# Altium PCB PCB.PcbDoc
Units mil, origin at the board's own origin, x right, y up, seen from the top; angles counter-clockwise.
Board outline 5149.5 x 3268.5 mil, 2 copper layers (Top Layer, Bottom Layer); 105 components, 69 nets, 375 pads, 61 vias.
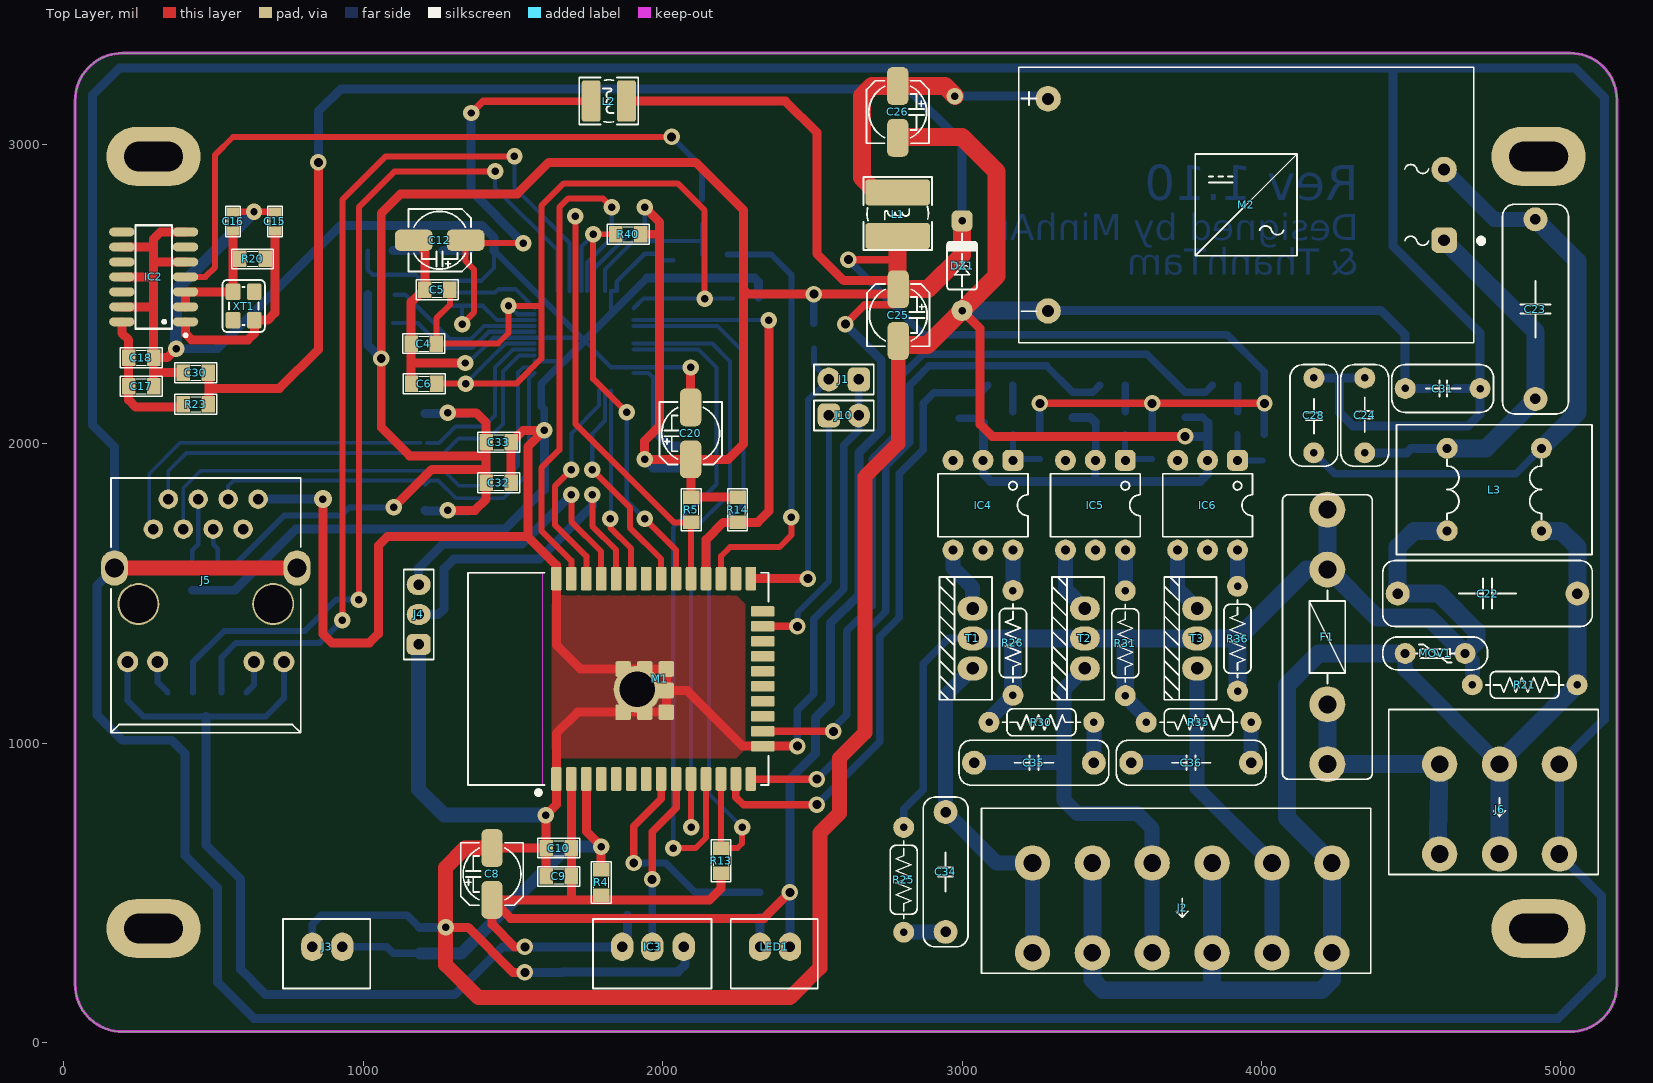
[diagram p0: Top Layer view]
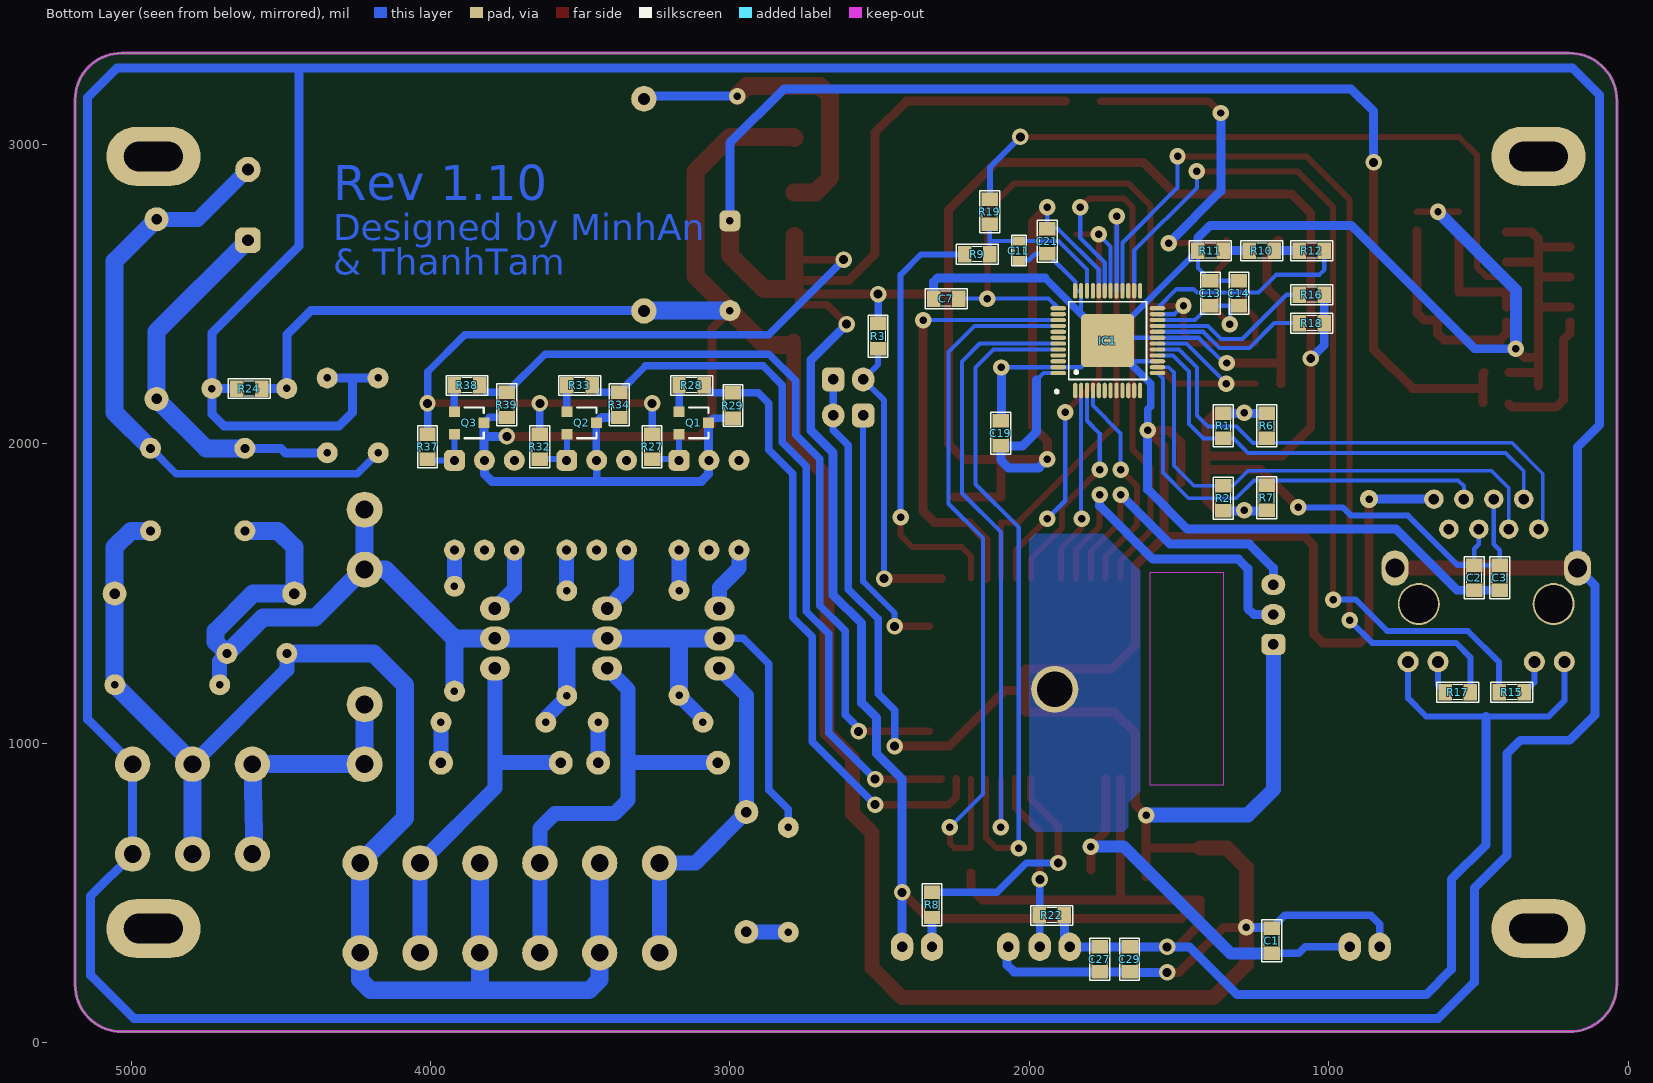
[diagram p1: Bottom Layer view, seen from below]
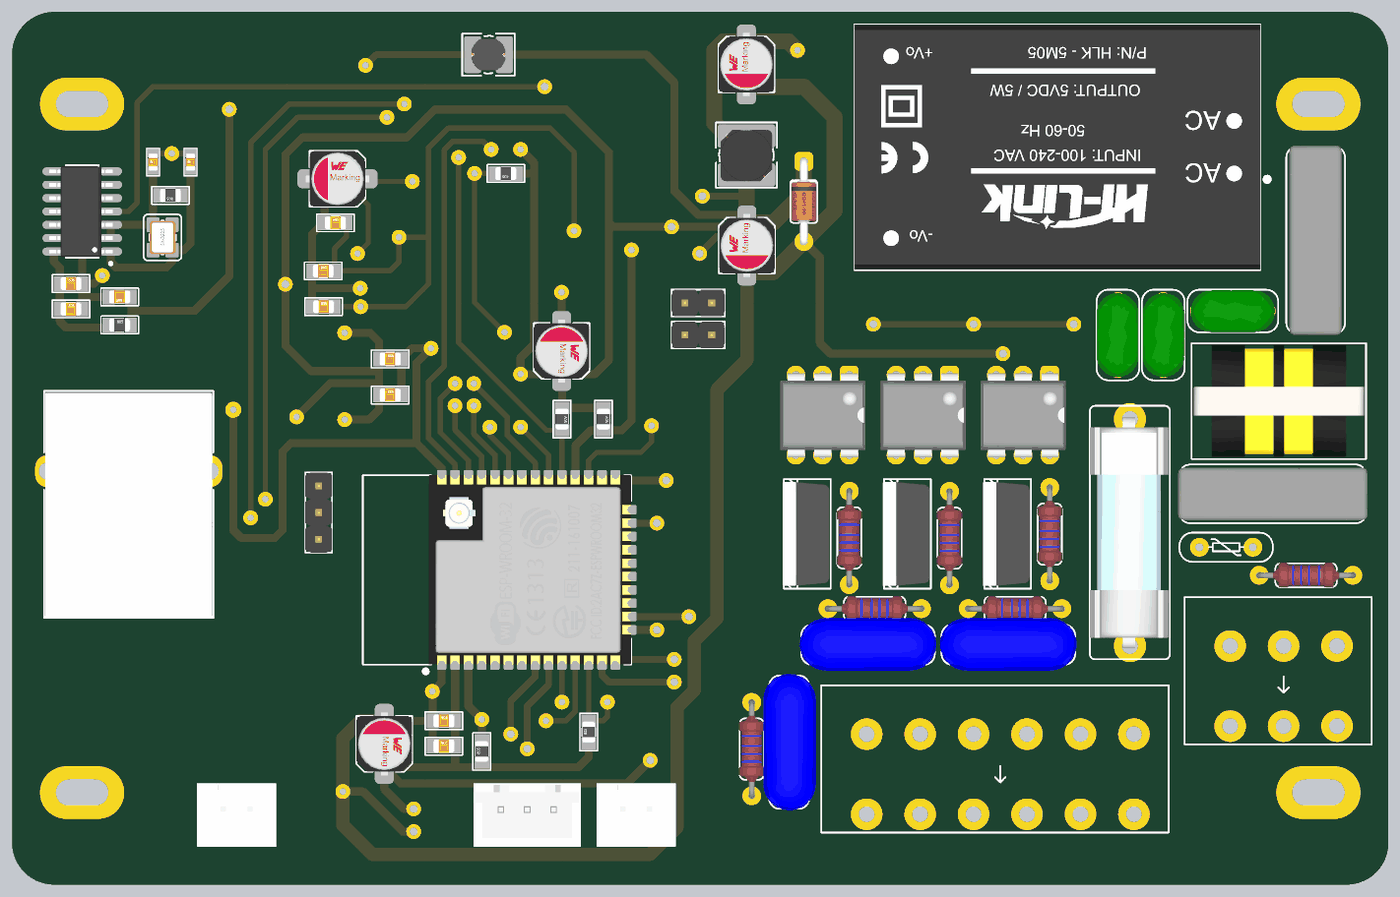
[diagram p2: 3D render of the assembled board from above, using the file's embedded part models]
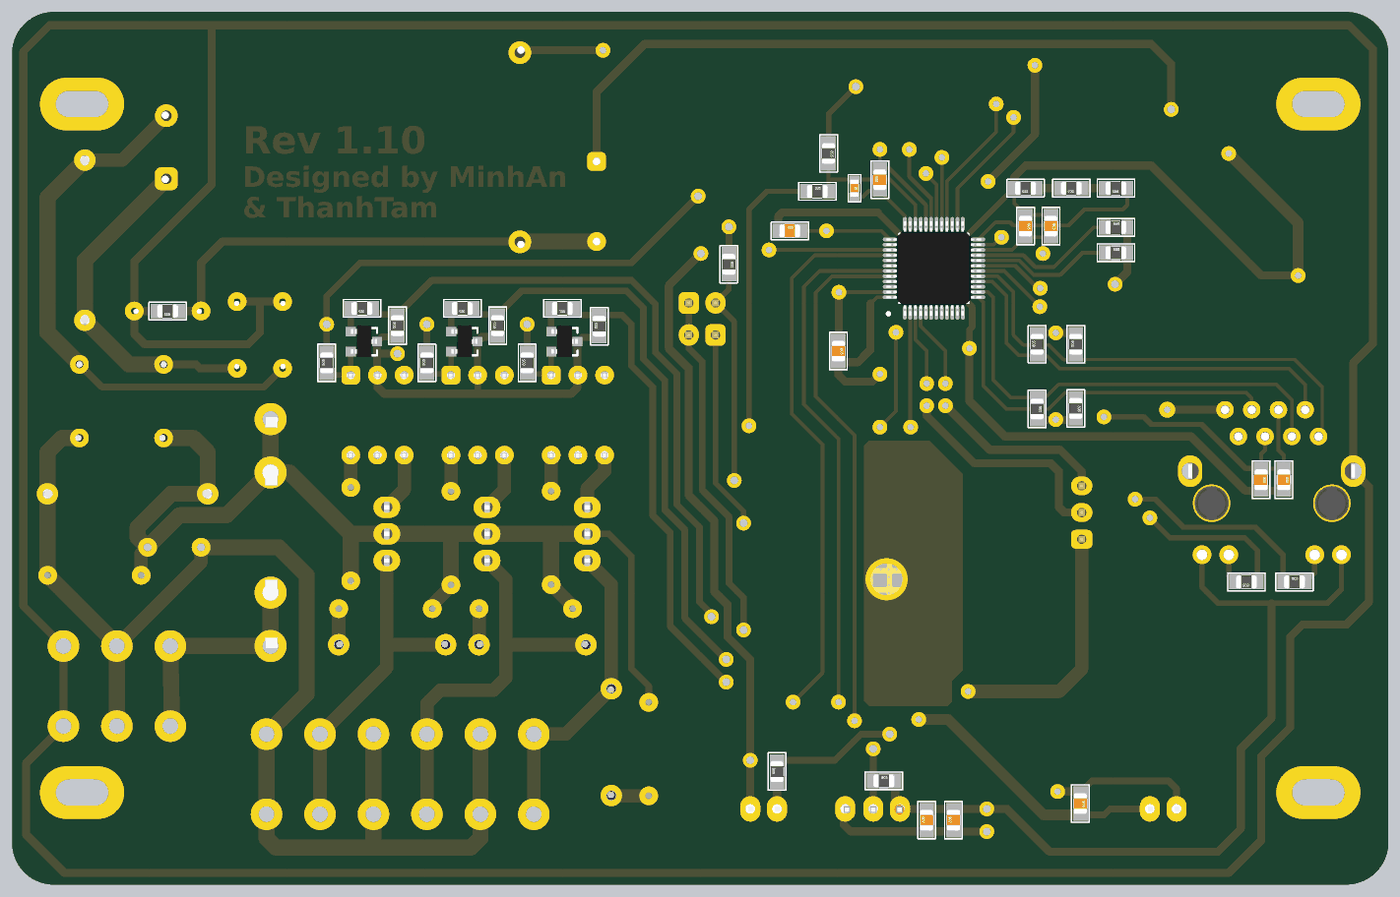
[diagram p3: 3D render of the assembled board from below, using the file's embedded part models]

## Layer stack, top to bottom
Top Solder: solder mask 0.4, Solder Resist, Dk 3.5
Top Layer: signal copper 1.4
Dielectric 1: dielectric 12.6, FR-4, Dk 4.8
Bottom Layer: signal copper 1.4
Bottom Solder: solder mask 0.4, Solder Resist, Dk 3.5

## Board outline
195.34,36.5 cw(c195.34,194.34) 37.5,194.34 37.5,3146.57 cw(c195.93,3146.57) 195.93,3305 5031.5,3305 cw(c5031.5,3149.5) 5187,3149.5 5187,192.65 cw(c5030.85,192.65) 5030.85,36.5

## Design rules (kind name [scope] priority, off if disabled: settings)
Clearance [All] p1: gap=17 ignorepadtopadclearanceinfootprint=FALSE except(0: Arc-Hole Track-Hole SMDPad-Hole THPad-Hole Via-Hole Fill-Hole Poly-Hole Region-Hole Text-Hole; 5: Arc-Arc Arc-Track Arc-SMDPad Track-Track Track-SMDPad SMDPad-SMDPad; 10: Arc-THPad Arc-Via Arc-Text Track-THPad Track-Via Track-Text SMDPad-THPad SMDPad-Via SMDPad-Text THPad-THPad THPad-Via THPad-Text Via-Via Via-Text Fill-Text Poly-Text Region-Text Text-Text)
DiffPairsRouting [All] p1: maxlimit=30 minlimit=10 mostfreqgap=10 toplayer_minwidth=12 toplayer_maxwidth=25 toplayer_prefwidth=15 bottomlayer_minwidth=12 bottomlayer_maxwidth=25 bottomlayer_prefwidth=15 maxuncoupledlength=400
HoleSize [All] p1: absolutevalues=TRUE maxlimit=1500 minlimit=1 maxpercent=80.000 minpercent=20.000
MinimumSolderMaskSliver [All] p1: minsoldermaskwidth=5
PolygonConnect [All] p1: connectstyle=Direct reliefconductorwidth=10 reliefentries=4 polygonreliefangle="90 Angle" airgapwidth=10
RoutingVias [All] p1: holewidth=30 width=55 viastyle="Through Hole" minholewidth=25 minwidth=50 maxholewidth=35 maxwidth=60
SilkToSilkClearance [All] p1 off: silktosilkclearance=10
SilkToSolderMaskClearance [IsPad] p1 off: minsilkscreentomaskgap=10 clearancetoexposedcopper=FALSE
SolderMaskExpansion [All] p1: expansion=0
Width [All] p1: maxlimit=60 minlimit=14 preferedwidth=25
25 further rules are at their usual default settings.

## Classes and differential pairs
differential pair class TD: TD
differential pair class RD: RD
differential pair TD: +TD_P -TD_N
differential pair RD: +RD_P -RD_N

## Components (designator, comment, footprint, x,y, rotation, side; value= is the part's Value field where it differs from the comment)
C1 "104" CAP0805 1190,340 r270 bottom
C2 "104" CAP0805 513.74,1553 r270 bottom
C3 "104" CAP0805 428.74,1553 r270 bottom
C4 "106" CAP0805 1202,2335 r0 top
C5 "104" CAP0805 1246.89,2515 r0 top
C6 "104" CAP0805 1203,2201 r0 top
C7 "104" CAP0805 2277,2485 r180 bottom
C8 "47uF" CAP-ELECT-SMD-5X5.4 1430,563.39 r90 top
C9 "104" CAP0805 1653,555 r0 top
C10 "103" CAP0805 1653,650 r0 top
C11 "5pF" CAP0603 2035,2645 r270 bottom
C12 "47uF" CAP-ELECT-SMD-5X5.4 1255,2680 r180 top
C13 "104" CAP0805 1395,2503 r270 bottom
C14 "103" CAP0805 1300,2503 r270 bottom
C15 "5pF" CAP0603 705,2742.6 r90 top
C16 "5pF" CAP0603 565,2742.6 r90 top
C17 "104" CAP0805 258,2192.6 r0 top
C18 "103" CAP0805 258,2287.6 r0 top
C19 "103" CAP0805 2095.28,2035 r270 bottom
C20 "47uF" CAP-ELECT-SMD-5X5.4 2093.39,2035 r90 top
C21 "104" CAP0805 1940,2676.99 r90 bottom
C22 "104/275VAC" CAP60 4755,1500 r180 top
C23 "104/275VAC" CAP60 4915,2450 r270 top
C24 "222/2kV" CAP25 4344.85,2095 r270 top
C25 "47uF" CAP-ELECT-SMD-5X5.4 2786.77,2430 r270 top
C26 "47uF" CAP-ELECT-SMD-5X5.4 2785,3108.38 r270 top
C27 "104" CAP0805 1765,278 r90 bottom
C28 "222/2kV" CAP25 4175,2095 r90 top
C29 "106" CAP0805 1665,278 r90 bottom
C30 "106" CAP0805 440,2237.6 r180 top
C31 "222/2kV" CAP25 4605,2184.85 r180 top
C32 "104" CAP0805 1452,1870 r0 top
C33 "103" CAP0805 1452,2005 r0 top
C34 "104" CAP40 2945,770 r270 top
C35 "104" CAP40 3040,935 r0 top
C36 "104" CAP40 3565,935 r0 top
DZ1 "1N4729" DIO_DZ1W 3000,2595 r90 top
F1 "F1A" FUSE-SOCKET 4220,1355 r90 top
IC1 "DP83848CVV" TQFP48_T 1738.31,2344.53 r90 bottom
IC2 "74HC14D" SO14 300,2557.6 r180 top
IC3 "DS18B20" HDR3 2070,320 r180 top
IC4 "MOC3020" DIP6 3070,1795 r180 top
IC5 "MOC3020" DIP6 3445,1795 r180 top
IC6 "MOC3020" DIP6 3820,1795 r180 top
J1 "Jumper2" J2_SM 2605,2215 r180 top
J2 "Header6" KF142-5.08-6-V 4035,456.1 r180 top
J3 "Header2" HDR2 930,320 r180 top
J4 "Header3" J3_SM 1185,1430 r90 top
J5 "HR911105A" HR911105A 473.93,1465 r180 top
J6 "Header3" KF142-5.08-3-V 4795,786.1 r180 top
J10 "Jumper2" J2_SM 2605,2095 r0 top
L1 "680uH" 4D28 2785,2769.13 r90 top
L2 "100uH" CD32 1820,3145 r0 top
L3 "EMI_CHOKE" IND_UU9.8 4777.53,1847.2 r180 top
LED1 "LED" HDR2 2425,320 r180 top value=1N5007
M1 "ESP32S" ESP32S 1940,1215.23 r90 top
M2 "HLK-5M3" HLK-5M 3948.58,2798.11 r180 top
MOV1 "7D471K" MOV_7D 4580,1300 r0 top
Q1 "S8550" SOT23-123 3120.79,2070 r270 bottom
Q2 "S8550" SOT23-123 3495,2070 r270 bottom
Q3 "S8550" SOT23-123 3870.79,2070 r270 bottom
R1 "49.9" RES0805 1351.89,2060.11 r270 bottom
R2 "49.9" RES0805 1351.89,1818.11 r90 bottom
R3 "4K7" RES0805 2505,2360 r90 bottom
R4 "4K7" RES0805 1794.72,535 r270 top
R5 "4K7" RES0805 2095,1780 r90 top
R6 "49.9" RES0805 1206.89,2060.11 r270 bottom
R7 "49.9" RES0805 1206.89,1820.11 r90 bottom
R8 "390" RES0805 2325,460 r270 bottom
R9 "150" RES0805 2173.89,2633.11 r0 bottom
R10 "150" RES0805 1223.89,2645 r180 bottom
R11 "20" RES0805 1395,2645 r180 bottom
R12 "4K7" RES0805 1056.89,2645 r180 bottom
R13 "2K2" RES0805 2195,608 r270 top
R14 "2K2" RES0805 2250,1780 r90 top
R15 "390" RES0805 388.74,1170 r0 bottom
R16 "2K2" RES0805 1056.89,2498.11 r0 bottom
R17 "390" RES0805 568.74,1170 r180 bottom
R18 "2K2" RES0805 1056.89,2403.11 r0 bottom
R19 "150" RES0805 2131.89,2775.11 r90 bottom
R20 "1M" RES0805 630,2617.6 r0 top
R21 "470K" RES35 4880,1195 r180 top
R22 "4K7" RES0805 1925,425 r0 bottom
R23 "1M" RES0805 440,2132.6 r180 top
R24 "1M" RES0805 4605,2184.7 r180 bottom
R25 "33" RES35 2805,545 r270 top
R26 "150" RES35 3170,1336 r270 top
R27 "330" RES0805 3260,1990.6 r270 bottom
R28 "2K2" RES0805 3128,2195 r180 bottom
R29 "4K7" RES0805 2990,2128 r270 bottom
R30 "33" RES35 3264,1070 r0 top
R31 "150" RES35 3545,1335 r270 top
R32 "330" RES0805 3635,1990.6 r270 bottom
R33 "2K2" RES0805 3502.21,2195 r180 bottom
R34 "4K7" RES0805 3370,2130 r270 bottom
R35 "33" RES35 3789,1070 r0 top
R36 "150" RES35 3920,1350 r270 top
R37 "330" RES0805 4010,1990.6 r270 bottom
R38 "2K2" RES0805 3878,2195 r180 bottom
R39 "4K7" RES0805 3745,2130 r270 bottom
R40 "1K5" RES0805 1885,2700 r0 top
T1 "Triac" TO-220 3035,1350 r90 top
T2 "Triac" TO-220 3410,1350 r90 top
T3 "Triac" TO-220 3785,1350 r90 top
XT1 "50 MHz" XTAL_3225 600.43,2460.35 r90 top

## Footprints (in the part's own frame and the unit in brackets; to place one, negate y for a bottom-side part, rotate by r counter-clockwise, add the part's x,y. Pads: shape width x height; smd on the part's side, far side on the other; paste and mask are expansions set on the pad)
4D28 [mm]
  rrect25% 2.2x5.5 smd: 1(-1.9,0) 2(1.8,0)
  silkscreen extent -3.1,-2.9 3.1,2.9, body extent -2.5,-2.45 2.4,2.45, height 2.91
CAP25 [mil]
  round 70 hole 25: 1(-125,0.15) 2(125,0)
  silkscreen extent -170,-80 170,80, body extent -157,-77 157,80, height 539
CAP40 [mil]
  round 80 hole 35: 1(0,0) 2(400,0)
  silkscreen extent -50,-75 450,75, body extent -56,-97 456,100, height 571
CAP60 [mil]
  round 80 hole 35: 1(-300,0) 2(300,0)
  silkscreen extent -350,-110 350,110, body extent -354,-98 484,110, height 418
CAP0603 [mil]
  rect 30x40 smd: 1(-31.99,0) 2(32,0)
  silkscreen extent -51,-24 51,24, body extent -31,-16 31,16, height 12
CAP0805 [mil]
  rect 45x55 smd: 1(-42,0) 2(42,0)
  silkscreen extent -70,-33 70,33, body extent -39,-25 39,25, height 31
CAP-ELECT-SMD-5X5.4 [mm]
  rrect50% 3.2x1.8 smd: 1(-2.2,0) 2(2.2,0)
  silkscreen extent -2.65,-2.65 2.65,2.65, body extent -3,-2.65 3,2.65, height 5.45
CD32 [mm]
  rrect25% 1.6x3.5 smd: 1(-1.5,0) 2(1.5,0)
  silkscreen extent -2.5,-2 2.5,2, body extent -1.65,-1.5 1.65,1.5, height 2.1
DIO_DZ1W [mil] "1W zener"
  round 70 hole 25: 1(-150,0)
  rrect50% 70x70 hole 25: 2(150,0)
  silkscreen extent -108,-50 108,50, body extent -165,-47 165,47, height 119
DIP6 [mil]
  rrect50% 70x70 hole 30: 1(-100,-150)
  round 70 hole 30: 2(0,-150) 3(100,-150) 4(100,150) 5(0,150) 6(-100,150)
  silkscreen extent -150,-105 150,105, body extent -160,-157 158,158, height 170
ESP32S [mm]
  rrect25% 2x0.9 smd: 1(-8.5,7.5) 2(-8.5,6.23) 3(-8.5,4.96) 4(-8.5,3.69) 5(-8.5,2.42) 6(-8.5,1.15) 7(-8.5,-0.12) 8(-8.5,-1.39) 9(-8.5,-2.66) 10(-8.5,-3.93) 11(-8.5,-5.2) 12(-8.5,-6.47) 13(-8.5,-7.74) 14(-8.5,-9.01) 25(8.5,-9.01) 26(8.5,-7.74) 27(8.5,-6.47) 28(8.5,-5.2) 29(8.5,-3.93) 30(8.5,-2.66) 31(8.5,-1.39) 32(8.5,-0.12) 33(8.5,1.15) 34(8.5,2.42) 35(8.5,3.69) 36(8.5,4.96) 37(8.5,6.23) 38(8.5,7.5)
  rrect25% 0.9x2 smd: 15(-5.715,-10.01) 16(-4.445,-10.01) 17(-3.175,-10.01) 18(-1.905,-10.01) 19(-0.635,-10.01) 20(0.635,-10.01) 21(1.905,-10.01) 22(3.175,-10.01) 23(4.445,-10.01) 24(5.715,-10.01)
  rrect25% 1.33x1.33 smd: 39(-2.835,-1.835) 39(-2.835,0) 39(-2.835,1.835) 39(-1,1.835) 39(-1,0) 39(-1,-1.835) 39(0.835,1.835) 39(0.835,0) 39(0.835,-1.835)
  Keep-Out Layer region: 9,8.69 -9,8.69 -9,14.99 9,14.99
  silkscreen extent -9.83,-10.51 9,14.99, body extent -9,-10.51 9,8.74, height 3.37
FUSE-SOCKET [mil]
  round 120 hole 60: 1(-425,0) 1(-225,0) 2(225,0) 2(425,0)
  silkscreen extent -475,-150 475,150, body extent -433,-143 433,150, height 423
HDR2 [mil]
  oval 75x95 hole 35: 1(0,0) 2(100,0)
  silkscreen extent -93,-93 198,139, body extent -93,-91 198,138, height 279
HDR3 [mil]
  oval 75x95 hole 35: 1(0,0) 2(105,0) 3(205,0)
  silkscreen extent -93,-93 303,139, body extent -90,-90 300,136, height 276
HLK-5M [mil]
  rrect50% 85x85 hole 40: 1(-661.42,118.11)
  round 85 hole 40: 2(-661.42,-118.11) 3(661.42,354.33) 4(661.42,-354.33)
  silkscreen extent -793,-460 760,460, body extent -760,-459 760,459, height 722
HR911105A [mil]
  oval 90.55x118.11 hole 64.17: 0(-304.92,-120.08) 0(304.92,-120.08)
  round 65 hole 35: 1(175.2,-250) 2(125.2,-350) 3(75.2,-250) 4(25.2,-350) 5(-24.8,-250) 6(-74.8,-350) 7(-124.8,-250) 8(-174.8,-350)
  round 70 hole 40: 9(260.83,192.91) 10(160.83,192.91) 11(-160.83,192.91) 12(-260.83,192.91)
  round 140 hole 127.95 unplated: 13(-225,0) 13(225,0)
  silkscreen extent -317,-420 317,430, body extent -313,-412 313,430, height 533
IND_UU9.8 [mil]
  round 70 hole 30: 1(-157.47,137.8) 2(-157.47,-137.8) 3(157.49,-137.8) 4(157.49,137.8)
  silkscreen extent -326,-217 326,217, body extent -318,-209 318,209, height 604
J2_SM [mil]
  rrect50% 75x80 hole 35: 1(-50,0)
  oval 75x80 hole 35: 2(50,0)
  silkscreen extent -100,-50 100,50, body extent -100,-50 100,50, height 341
J3_SM [mil]
  rrect50% 70x80 hole 35: 1(-100,0)
  oval 70x80 hole 35: 2(0,0) 3(100,0)
  silkscreen extent -150,-50 150,50, body extent -150,-50 150,50, height 341
KF142-5.08-3-V [mm]
  round 3 hole 1.5: 1(-5.08,3.965) 1(-5.08,-3.655) 2(0,3.965) 2(0,-3.655) 3(5.08,3.965) 3(5.08,-3.655)
  silkscreen extent -8.38,-8.3 9.4,5.7
KF142-5.08-6-V [mm]
  round 3 hole 1.5: 1(-5.08,3.965) 1(-5.08,-3.655) 2(0,3.965) 2(0,-3.655) 3(5.08,3.965) 3(5.08,-3.655) 4(10.16,-3.655) 4(10.16,3.965) 5(15.24,-3.655) 5(15.24,3.965) 6(20.32,-3.655) 6(20.32,3.965)
  silkscreen extent -8.38,-8.3 24.64,5.7
MOV_7D [mil]
  round 70 hole 30: 1(-100,0) 2(100,0)
  silkscreen extent -175,-55 175,55
RES35 [mil]
  round 70 hole 25: 1(-174,0) 2(176,0)
  silkscreen extent -129,-45 131,45, body extent -186,-47 186,47, height 114
RES0805 [mil]
  rect 45x55 smd: 1(-42,0) 2(42,0)
  silkscreen extent -70,-33 70,33, body extent -39,-25 39,25, height 31
SO14 [mil]
  oval 85x30 smd: 1(-106.3,150) 2(-106.3,100) 3(-106.3,50) 4(-106.3,0) 5(-106.3,-50) 6(-106.3,-100) 7(-106.3,-150) 8(106.3,-150) 9(106.3,-100) 10(106.3,-50) 11(106.3,0) 12(106.3,50) 13(106.3,100) 14(106.3,150)
  silkscreen extent -111,-173 61,200, body extent -113,-169 123,169, height 69
SOT23-123 [mm] "SOT23, 1=bottom-left, 2=top, 3=bottom-right"
  rect 0.9x0.95 smd: 1(-0.95,-1.25) 2(0,1.25)
  rect 0.9x0.95 smd mask+0: 3(0.95,-1.25)
  silkscreen extent -1.3,-0.38 1.3,1.25, body extent -1.52,-1.23 1.48,1.27, height 1.06
TO-220 [mil]
  oval 80x100 hole 42: 1(-100,0) 2(0,0) 3(100,0)
  silkscreen extent -205,-65 205,110, body extent -195,-61 195,114, height 787
TQFP48_T [mil]
  oval 52x14 smd: 1(-166.42,108.27) 2(-166.42,88.58) 3(-166.42,68.9) 4(-166.42,49.21) 5(-166.42,29.53) 6(-166.42,9.84) 7(-166.42,-9.84) 8(-166.42,-29.53) 9(-166.42,-49.21) 10(-166.42,-68.9) 11(-166.42,-88.58) 12(-166.42,-108.27) 25(166.42,-108.27) 26(166.42,-88.58) 27(166.42,-68.9) 28(166.42,-49.21) 29(166.42,-29.53) 30(166.42,-9.84) 31(166.42,9.84) 32(166.42,29.53) 33(166.42,49.21) 34(166.42,68.9) 35(166.42,88.58) 36(166.42,108.27)
  oval 14x52 smd: 13(-108.27,-166.42) 14(-88.58,-166.42) 15(-68.9,-166.42) 16(-49.21,-166.42) 17(-29.53,-166.42) 18(-9.84,-166.42) 19(9.84,-166.42) 20(29.53,-166.42) 21(49.21,-166.42) 22(68.9,-166.42) 23(88.58,-166.42) 24(108.27,-166.42) 37(108.27,165) 38(88.58,165) 39(68.9,165) 40(49.21,165) 41(29.53,165) 42(9.84,165) 43(-9.84,165) 44(-29.53,165) 45(-49.21,165) 46(-68.9,165) 47(-88.58,165) 48(-108.27,165)
  rrect15% 177.17x177.17 smd: 49(0,0)
  silkscreen extent -175,-130 130,175, body extent -177,-177 177,177, height 57
XTAL_3225 [mm]
  rrect25% 1.4x1.25 smd: 0(-1.2,0.9) 0(1.2,-0.9) 1(-1.2,-0.9) 2(1.2,0.9)
  silkscreen extent -2.2,-1.8 2.2,1.8, body extent -1.6,-1.25 1.6,1.25, height 0.81

## Part data
C1 C2 C3 C4 C5 C6 C7 C9 C10 C11 C13 C14 C15 C16 C17 C18 C19 C21 C22 C23 C24 C27 C28 C29 C30 C31 C32 C33 C34 C35 C36: library part CAP
C8 C12 C20 C25 C26: library part CAP-POL
DZ1: library part Zener
F1: library part Fuse
IC1: "PHYTER® Commercial Temperature Single Port 10/100 Mb/s Ethernet Physical Layer Transceiver, 48-pin LQFP, Pb-Free, 250 Tray", Manufacturer="Texas Instruments", PackageTopMarking=NSUZXYTT*DP83848VV*VBC, PartNumber=DP83848CVV/NOPB, PowerWise=N, ComponentLink1Description="Datasheet URL", ComponentLink1URL=http://www.ti.com/general/docs/lit/getliterature.tsp?genericPartNumber=DP83848C&fileType=pdf, CompType="Interface IC", High-Reliability=Y, PackageDescription="LQFP, 7 x 7 x 1.4mm, 48 Lead, 0.5mm Pitch", PackageReference=PT0048A, PinCount=48, RoHS=Y
IC2: library part SN74HC14N, "Hex Schmitt-Trigger Inverter", ComponentLink1Description="Manufacturer Link", ComponentLink1URL=http://www.ti.com/, ComponentLink2Description=Datasheet, ComponentLink2URL=http://www-s.ti.com/sc/ds/sn74hc14.pdf, DatasheetVersion=May-1997, LatestRevisionDate=04-Mar-2005, LatestRevisionNote="Stylized 3D Model Added.", PackageDescription="DIP; 14 Leads; Row Spacing 7.62 mm; Pitch 2.54 mm", PackageReference=N014, PackageVersion=Oct-1995, Published=8-Jun-2000, Publisher="Altium Limited"
IC3: library part DS18S20, "High Precision  1-Wire® Digital Thermometer"
J1 J10: Manufacturer="Würth Elektronik eiSos GmbH", partNo=613002143121, ComponentLink1 Description=Manufacturer, ComponentLink1URL=http://www.we-online.com, ComponentLink2 Description=Datasheet, ComponentLink2URL=http://katalog.we-online.de/em/datasheet/6130xx143121.pdf, Created by="Karrer Zheng", Created Date="29 March 2013", NoPins=02
J3: "SYS_RST", Manufacturer="Würth Elektronik eiSos GmbH", partNo=613002143121, ComponentLink1 Description=Manufacturer, ComponentLink1URL=http://www.we-online.com, ComponentLink2 Description=Datasheet, ComponentLink2URL=http://katalog.we-online.de/em/datasheet/6130xx143121.pdf, Created by="Karrer Zheng", Created Date="29 March 2013", NoPins=02
J4: "PROG"
J6: "Power"
L1 L2: library part Inductor
M2: library part HLK-5M
MOV1: library part MOV
Q1 Q2 Q3: library part BJT_PNP
R1 R2 R3 R4 R5 R6 R7 R8 R9 R10 R11 R12 R13 R14 R15 R16 R17 R18 R19 R20 R21 R22 R23 R24 R25 R26 R27 R28 R29 R30 R31 R32 R33 R34 R35 R36 R37 R38 R39 R40: library part RES
XT1: library part XTAL
LED1: Code - JEDEC=DO-214-AB, Published=8-Jun-2000, Publisher="Altium Limited", Revision="July-2002: Re-released for DXP Platform."

## Free pads (board coordinates)
  oval 314.96x196.85 hole 98.43 slot 196.85 at 0 deg: 0(299.37,381.14) 0(299.37,2959.88) 0(4925.35,381.14) 0(4925.35,2959.88)
  round 157.48 hole 118.11: 39(1915,1180)

## Via types
v1: diameter 55, hole 25, Top Layer to Bottom Layer, 39 vias
v2: diameter 55, hole 30, Top Layer to Bottom Layer, 21 vias
v3: diameter 60, hole 25, Top Layer to Bottom Layer, 1 vias

## Nets (pads, with @x,y where several pads share a name; then routed paths per layer and width w, separated by ;. In a path a pad name is that pad's centre, name@x,y a point inside that pad or via, vN(x,y) a via of type N, cw(c..) or ccw(c..) an arc to the next point about the centre after c; other vN are vias at no path point)
+3.3: C2.1 C3.1 C8.1 C9.2 C10.2 C19.2 C20.1 C21.2 C25.1 C27.2 C29.2 C30.1 C32.1 C33.1 DZ1.2 IC1.32 IC1.48 IC3.3 J5.4 J5.5 J5.9 J5.12 L1.1 L2.2 LED1.1 M1.2 R1.1 R2.1 R3.2 R4.2 R5.2 R6.1 R7.1 R13.2 R14.2 R16.1 R18.1 R22.1 R23.1 R27.1 R32.1 R37.1 R40.2 | length 25812
  Top Layer w25: v2(2610,2400) 2675,2465 2770.15,2465 2770.15,2500 C25.1 ; v2(2620,2615) 2785,2615 ; v2(3260,2135) v2(3635,2135) v2(4010,2135)
  Top Layer w30: C30.1 C30.1@484,2235.6 ; R23.1@484,2137.6 484,2185 ; C30.1@484.83,2234.76 C30.1@484,2235.6 ; v2(850,2940) 850,2315 720,2185 484,2185 ; v1(1101.89,1788.11) 1228.79,1915 1410,1915 C32.1 1410,1815 1373.11,1778.11 v1(1281.89,1778.11) ; v1(1281.89,2103.11) 1376.89,2103.11 1410,2070 C33.1 1410,1960 ; 1410,1920 1410,1960 ; v2(1540,320) 1505,320 1430,395 C8.1 ; M1.2 1695,880.31 1695,739.29 1694.72,739.01 1694.72,555.28 C9.2 1695,476.77 ; L2.2 2410,3145 2515,3040 2515,2635 2605,2545 2758.39,2545 C25.1@2785,2518.39 ; R40.2 1990,2700 ; v1(1940,2790) 1990,2740 1990,2700 ; R13.2 2195,515 2156.77,476.77 1695,476.77 ; R14.2 R5.2 2095,1946.77 C20.1 ; v2(2425,502) 2338,415 1491.77,415 C8.1 ; C25.1@2770.15,2500 v2(2505,2500) 2285,2500 2270,2515 ; 484,2185 C30.1@484,2235.6 ; 1410,1960 1155,1960 1060,2055 v2(1060,2285) 1060,2770 1125,2835 1515,2835 1620,2940 2110,2940 2270,2780 2270,2515 ; C8.1 1695,476.77 ; 1990,2700 1990,2060 1940,2010 v1(1940,1948.38) C20.1 ; C20.1 2218.38,1948.38 2270,2000 2270,2515
  Top Layer w60: C25.1@2785,2518.39 2785,2615 L1.1 ; C25.1 2886.62,2516.62 3000,2630 DZ1.2
  Bottom Layer w14: IC1.32 1767.84,2581.31 1905.52,2718.99 C21.2 v1(1940,2790) ; IC1.48 1952.11,2236.26 1975.31,2213.05
  Bottom Layer w15: J5.4 448.74,1665 428.74,1645 C3.1 C2.1 513.74,1650 498.74,1665 J5.5
  Bottom Layer w20: J5.9 213.11,1141.89 265,1090 475,1090 675,1090 734.76,1149.76 J5.12 ; C2.1 570,1595 735,1760 925,1760 953.11,1788.11 v1(1101.89,1788.11)
  Bottom Layer w25: R3.2 v2(2505,2500) ; v2(2620,2615) 2870,2365 3885,2365 4010,2240 v2(4010,2135) R37.1 ; R27.1 v2(3260,2135) ; R32.1 v2(3635,2135)
  Bottom Layer w30: 475,1090 475,660 590,545 590,245 675,160 1305,160 1465,320 v2(1540,320) C29.2 C27.2 IC3.3 1870,320 1883,333 R22.1 ; v2(850,2940) 850,3110 925,3185 2820,3185 3000,3005 DZ1.2 ; R16.1 R18.1 1014.89,2330.11 v2(1060,2285) ; R7.1 1208.89,1776.11 R2.1 ; R6.1 R1.1 ; v1(1940,1948.38) 1968.38,1920 2070,1920 2095.28,1945.28 C19.2 2021.9,1993 1975.31,2039.79 1975.31,2213.05 ; LED1.1 v2(2425,502) 2425,880 2510,965 2510,1085 2560,1135 2560,1400 2655,1495 2655,1970 2730,2045 2730,2280 v2(2610,2400)
_CRS_DV: IC1.40 M1.12 R13.1 | length 2444.7
  Top Layer w20: M1.12 2195,880.31 R13.1 2250,650 2265,665 v1(2265,720)
  Bottom Layer w14: IC1.40 2183.15,2393.74 2270,2306.89 2270,1800 2155,1685 2155,830 v1(2265,720)
_RX0: IC1.43 M1.10 | length 2116.1
  Top Layer w20: v1@2094.72,720.28 M1.10
  Top Layer w30: v1@2094.72,720.28 v1(2095,720)
  Bottom Layer w14: IC1.43 2165.63,2334.68 2225,2275.31 2225,1835 2095,1705 v1(2095,720)
_RX1: IC1.44 M1.11 | length 2286.8
  Top Layer w20: v1(2035,650) 2110,650 2145,685 2145,880.31 M1.11
  Bottom Layer w14: IC1.44 2120,2315 2180,2255 2180,1865 2035,1720 v1(2035,650)
_TX_0: IC1.3 M1.31 | length 740.9
  Top Layer w20: v1(1765,1913.11) 1890,1788.11 1890,1720 1994.72,1615.28 M1.31
  Bottom Layer w14: v1(1765,1913.11) 1765,2035 1807.21,2077.21 IC1.3
_TX_1: IC1.4 M1.36 | length 732.7
  Top Layer w20: v1(1695,1913.11) 1640,1858.11 1640,1729.72 1744.72,1625 M1.36
  Bottom Layer w14: v1(1695,1913.11) 1695,2035 1787.52,2127.52 IC1.4
_TX_EN: IC1.2 M1.33 | length 657.9
  Top Layer w20: v1(1825,1749.95) 1825,1720 1894.72,1650.28 M1.33
  Bottom Layer w14: v1(1825,1749.95) 1826.89,1751.84 IC1.2
CHAS: C24.1 C28.2 C31.1 J5.0 J6.1 R24.1 | length 18953.7
  Top Layer w50: J5.0@169.01,1585.08 J5.0@778.86,1585.08
  Bottom Layer w30: C28.2 4260,2220 ; C24.1 4260,2220 ; R24.1 C31.1 ; J6.1@4995,630 5135,490 5135,225 4990,80 635,80 513.74,201.26 513.74,516.26 405,625 405,965 360,1010 195,1010 110,1095 110,1526.07 169.01,1585.08 169.01,1990 95,2064.01 95,3165 185,3255 4440,3255 ; J6.1@4995,635 J6.1@4995,930 ; J6.1@4995,936 J6.1@4995,930 ; 4260,2220 4260,2105 4305,2060 4690,2060 4730,2100 C31.1 ; 4440,3255 4440,2660 4730,2370 C31.1 ; 4440,3255 5047.44,3255 5145,3157.44 5145,1080 J6.1@4995,930
CLK_50M: C11.1 IC1.34 R9.1 R19.1 | length 536.5
  Bottom Layer w14: IC1.34 1807.21,2582.21 1901.99,2676.99 C11.1 2128.89,2676.99 2131.89,2680 ; R9.1 2131.89,2680 ; R19.1 2131.89,2680
ESP_RST: C1.2 J3.1 M1.3 R4.1 | length 1346
  Top Layer w30: M1.3 1744.72,705.28 1794.72,655.28 v1(1794.72,655) R4.1
  Bottom Layer w25: J3.1 1078,320 1100,298 C1.2
  Bottom Layer w40: C1.2 1328,298 1685,655 v1(1794.72,655)
GND: C1.1 C2.2 C3.2 C4.1 C5.1 C6.1 C7.1 C8.2 C9.1 C10.1 C11.2 C12.2 C13.1 C14.1 C15.2 C16.2 C17.2 C18.2 C19.1 C20.2 C21.1 C25.2 C26.2 C27.1 C29.1 C30.2 C31.2 C32.2 C33.2 DZ1.1 IC1.15 IC1.19 IC1.35 IC1.36 IC1.47 IC1.49 IC2.5 IC2.7 IC2.9 IC2.11 IC2.13 IC3.1 IC4.2 IC5.2 IC6.2 J1.1 J3.2 J4.1 J5.8 J10.2 M1.1 M1.15 M1.38 M1.39 M2.3 pad.39 Q1.2 Q2.2 Q3.2 R11.1 R24.2 R29.2 R34.2 R39.2 | length 27158.5
  Top Layer w22: C16.2 v1(635,2774.6) C15.2
  Top Layer w30: IC2.13 300,2457.6 ; IC2.11 300,2557.6 ; IC2.9 290,2657.6 300,2667.6 ; C17.2 300,2237.6 ; v1(375,2317.6) 345,2287.6 C18.2 ; C30.2 300,2237.6 ; IC2.5 300,2607.6 ; IC2.7 323.26,2707.6 300,2684.33 300,2667.6 ; v3(865,1815) 865,1365 895,1335 1020,1335 1050,1365 1050,1660 1080,1690 1550,1690 ; C6.1 1160,2202 1160,2270 ; C12.2 1206.89,2641.5 1206.89,2520 1160,2473.11 C4.1 1160,2270 ; v1(1275,385) 1350,385 1500,235 v2(1540,235) ; v1(1340,2270) 1160,2270 ; C8.2 C10.1 ; C32.2 C33.2 1534,2045 v1(1605,2045) 1550,1990 1550,1690 ; C9.1 C10.1 ; pad.39@1867.76,1175.86 pad.39 1940,1175.86 M1.39@2012.24,1175.86 ; C20.2 v1(2093.39,2255) ; v2(2450,990.23) M1.15 2267.87,990.23 2082.24,1175.86 M1.39@2012.24,1175.86 ; DZ1.1 3060,2385 3060,2065 3100,2025 v2(3745,2025) ; 300,2237.6 C18.2 ; C18.2 300,2457.6 ; 300,2457.6 300,2557.6 ; 300,2557.6 300,2607.6 ; 300,2607.6 300,2667.6 ; 1550,1690 1644.72,1595.28 M1.38 1644.72,1328.38 1725,1248.11 1867.76,1248.11 1940,1248.11 2012.24,1248.11 M1.39@2012.24,1175.86 ; C10.1 1611,759 v1(1610,760) 1644.72,794.72 M1.1 1644.72,1032.83 1715.51,1103.62 1867.76,1103.62 1940,1103.62 2012.24,1103.62 M1.39@2012.24,1175.86
  Top Layer w50: C8.2 1340,650 1275,585 v1(1275,385) 1275,260 1385,150 2425,150 2525,250 2525,700 2590,765 2590,950 2675,1035 2675,1890 2786.77,2001.77 C25.2
  Top Layer w60: C26.2 2788.23,3025 3000,3025 3115,2910 3115,2560 DZ1.1 2885,2330 C25.2@2800.16,2330
  Bottom Layer w14: C14.1 C13.1 1437,2587 R11.1 ; v1(1340,2270) 1350,2270 1434.37,2354.37 IC1.19 IC1.49@1727.63,2354.37 ; IC1.15 IC1.49@1669.42,2275.63 ; IC1.49 1826.89,2255.94 IC1.47 v1@2092.45,2255.94 ; 1826.89,2433.11 IC1.35 IC1.36 1846.58,2541.57 C21.1
  Bottom Layer w15: C21.1 1980.01,2634.99 2002,2613 C11.2
  Bottom Layer w20: R11.1 IC1.49@1727.63,2354.37
  Bottom Layer w25: J3.2 830,395 860,425 1147,425 1187,385 C1.1 ; v1(1605,2045) 1605,2115 1595,2125 1595,2200 IC1.49@1738.31,2343.31 ; IC1.49 1826.89,2433.11 1947.36,2553.57 ; v2(2450,990.23) 2450,1110 2505,1165 2505,1415 2605,1515 2605,1995 2655,2045 J10.2 J1.1 ; R29.2 3055.57,2086 Q1.2 ; 3445,1875 IC5.2 3445.79,1945.79 Q2.2 ; R39.2 3803.57,2088 Q3.2
  Bottom Layer w30: v1(375,2317.6) 512.6,2317.6 925,2730 1395,2730 1437,2688 R11.1 ; C3.2 C2.2 571,1511 775,1715 1471.89,1715 1605,1848.11 v1(1605,2045) ; J5.8 v3(865,1815) ; C1.1@1187,385 v1(1275,385) ; v2(1540,235) 1664,235 C29.1 C27.1 2051,236 2075,260 IC3.1@2075,320 ; 1947.36,2553.57 2306.76,2553.57 2320,2540.34 C7.1@2320,2490 ; C19.1@2093.39,2078.89 v1(2093.39,2255) ; Q1.2 3071.57,1898.43 3095,1875 3445,1875 3795,1875 3820,1900 IC6.2 3821.57,1946.57 Q3.2 ; M2.3@3272.44,2445 4400,2445 4480,2365 C31.2 4480.15,2184.7 R24.2 ; R34.2 3427.79,2088 Q2.2 ; v2(3745,2025) 3811.57,2025
  Bottom Layer w40: v1(375,2317.6) 375,2514.6 v1(635,2774.6)
  Bottom Layer w50: J4.1 1185,845 1270,760 v1(1610,760)
  Bottom Layer w60: DZ1.1 M2.3@3272.44,2445
LED_ALINK: IC1.26 R15.2 | length 3042.3
  Top Layer w20: v1(985,1480) 985,2790 1105,2910 v1(1440,2910)
  Bottom Layer w14: v1(1440,2910) 1440,2855 1649.73,2645.27 IC1.26
  Bottom Layer w20: R15.2 430.74,1270.74 535,1375 805,1375 910,1480 v1(985,1480)
LED_LINK: IC1.28 R17.2 | length 3136.4
  Top Layer w20: v1(930,1410) 930,1525 930,2815 1075,2960 v1(1505,2960)
  Bottom Layer w14: v1(1505,2960) 1505,2855.63 1689.1,2671.53 IC1.28
  Bottom Layer w20: R17.2 526.74,1286.74 575,1335 855,1335 v1(930,1410)
LINE: C22.2 F1.2 L3.4 MOV1.2 R21.2 R25.1 R26.2 R30.1 R31.2 R35.1 R36.2 T1.2 T2.2 T3.2 | length 4490.3
  Bottom Layer w25: R25.1 2805,780 2870,845 2870,1265 2955,1350 T1.2 ; R30.1 R30.1@3090,1080 ; R31.2@3545,1155 R31.2 ; R35.1 R35.1@3615,1085 ; MOV1.2 4705,1275
  Bottom Layer w50: R30.1@3090,1080 R26.2 ; R31.2@3545,1155 R35.1@3615,1085 ; R21.2@4705,1195 4705,1275
  Bottom Layer w60: T1.2 3170,1350 ; R26.2 3170,1350 ; R31.2 3545,1350 ; R36.2 3920,1350 ; F1.2@4220,1780 F1.2@4220,1580 ; L3.4 4509.41,1709.41 4455,1655 C22.2 4592.5,1500 4717.5,1375 4717.5,1337.5 MOV1.2 4560,1420 4385,1420 4225,1580 F1.2@4220,1580 ; 3170,1350 T2.2 3545,1350 ; 3545,1350 T3.2 3920,1350 ; 3920,1350 4150,1580 F1.2@4220,1580
LO1: C34.1 J2.6 T1.1 | length 1177.7
  Bottom Layer w50: T1.1 2945,1160 C34.1 3115,600 3235,600 J2.6@3235,300
LO2: C35.1 J2.4 T2.1 | length 1518.3
  Bottom Layer w50: C35.1 3340,935 ; T2.1 3340,1180 3340,935 ; J2.4@3635,300 3635,600 3635,715 3585,765 3385,765 3340,810 3340,935
LO3: C36.1 J2.2 T3.1 | length 1273.6
  Bottom Layer w50: C36.1 3785,935 ; T3.1 3785,935 ; J2.2@4035,300 4035,600 3785,850 3785,935
Load1: M1.13 R28.2 R29.1 | length 2069
  Top Layer w25: M1.13 2244.72,820.28 2270,795 v2(2515,795)
  Bottom Layer w25: v2(2515,795) 2725,1005 2725,1355 2790,1420 2790,1900 2870,1980 2870,2135 2905,2170 R29.1 3061,2170 R28.2
Load2: M1.14 R33.2 R34.1 | length 2372.8
  Top Layer w25: M1.14 2295.31,880 v2(2515,880)
  Bottom Layer w25: v2(2515,880) 2670,1035 2670,1365 2745,1440 2745,1925 2825,2005 2825,2196.26 2888.74,2260 3282,2260 R34.1 3437.21,2172 R33.2
Load3: M1.16 R38.2 R39.1 | length 2633.7
  Top Layer w25: M1.16 v2@2555,1040.23
  Bottom Layer w25: v2(2570,1040) 2570,1050 2615,1095 2615,1375 2700,1460 2700,1950 2780,2030 2780,2210 2870,2300 3617,2300 R39.1 3813,2172 R38.2
MDC: IC1.31 M1.37 | length 1819.1
  Top Layer w20: M1.37 1694.72,1610 1595,1709.72 1595,1920 1655,1980 1655,2790 1685,2820 1800,2820 v1(1830,2790)
  Bottom Layer w14: IC1.31 1748.15,2605.94 1830,2687.79 v1(1830,2790)
MIO: IC1.30 M1.30 R40.1 | length 1545.6
  Top Layer w20: R40.1 v1(1767.84,2700) 1767.84,2217.16 v1(1880,2105) ; v1(1940,1749.95) 2045,1644.95 2045,1550.15 M1.30
  Bottom Layer w14: IC1.30 1728.47,2658.47 1767.84,2697.84 v1(1767.84,2700) ; v1(1880,2105) 1880,1809.95 v1(1940,1749.95)
NetC4_2: C4.2 C5.2 C6.2 C7.2 IC1.18 IC1.23 IC1.37 | length 3189.5
  Top Layer w20: C6.2 v1(1341.62,2201) 1511,2201 1595,2285 1595,2465 ; C5.2 1288.89,2463.89 1244,2419 C4.2 1450,2335 1485,2370 v1(1485,2461) 1591,2461 1595,2465 ; v1(2140,2485) 2140,2780 2050,2870 1670,2870 1595,2795 1595,2465
  Bottom Layer w14: v1(1341.62,2201) 1475.3,2334.68 IC1.18 IC1.18@1571.58,2335 ; v1(1485,2461) 1486.8,2461 1514.68,2433.11 IC1.23 ; IC1.37 1935.52,2485 v1(2140,2485) C7.2
NetC12_1: C12.1 C13.2 C14.2 IC1.22 L2.1 | length 1786.1
  Top Layer w20: v1(1330,2400) 1370,2440 1370,2581.62 1341.62,2610 C12.1 ; C12.1@1351.62,2670 v1(1535,2670)
  Top Layer w25: v1(1360,3105) 1400,3145 L2.1
  Bottom Layer w14: C14.2 1330,2461 ; v1(1330,2400) 1341.89,2400 1330,2411.89 1330,2461 ; IC1.22 1446.57,2413.43 1399,2461 C13.2 1330,2461
  Bottom Layer w30: v1(1360,3105) 1360,2845 v1(1535,2670)
NetC15_1: C15.1 IC2.1 R20.2 XT1.1 | length 683.5
  Top Layer w30: IC2.1 406.3,2367.6 426.43,2347.46 614.87,2347.46 635.87,2368.46 XT1.1 680.51,2413.11 705,2437.6 C15.1
NetC16_1: C16.1 IC2.2 IC2.3 R20.1 XT1.2 | length 411.7
  Top Layer w30: IC2.2 IC2.3 XT1.2 C16.1
NetC23_1: C23.1 C28.1 L3.2 M2.2 | length 2070.9
  Bottom Layer w25: C28.1 4244.85,1900 4850,1900 L3.2
  Bottom Layer w50: M2.2 4776.22,2750 C23.1
  Bottom Layer w60: C23.1 5055,2610 5055,2105 L3.2
NetC23_2: C23.2 C24.2 L3.3 M2.1 | length 1301
  Bottom Layer w30: C24.2 4485,1970 4500,1985 L3.3
  Bottom Layer w60: M2.1 4915,2375 C23.2 4750,1985 L3.3
NetC26_1: C26.1 L1.2 M2.4 | length 1066.4
  Top Layer w60: L1.2 2713.78,2840 2665,2888.78 2665,3161.22 2698.78,3195 C26.1 2942.44,3195 v1(2976.22,3161.22)
  Bottom Layer w30: v1(2976.22,3161.22) 3278.39,3161.22 M2.4
NetC34_2: C34.2 R25.2 | length 140.4
  Bottom Layer w50: R25.2 2944,369 C34.2
NetC35_2: C35.2 R30.2 | length 135
  Bottom Layer w50: C35.2 R30.2
NetC36_2: C36.2 R35.2 | length 135
  Bottom Layer w50: C36.2 R35.2
NetF1_1: F1.1 J6.3 | length 850.1
  Bottom Layer w60: F1.1@4220,1130 4220,930 4595,930 4590,695 J6.3@4590,655
NetIC1_20: IC1.20 R18.2 | length 529.8
  Bottom Layer w14: R18.2 1181.89,2403.11 1265,2320 1365,2320 1419.06,2374.06 IC1.20
NetIC1_21: IC1.21 R16.2 | length 546.4
  Bottom Layer w14: R16.2@1105,2498.11 1140.63,2498.11 1288.74,2350 1359.45,2350 1403.19,2393.74 IC1.21
NetIC1_24: IC1.24 R12.2 | length 683.6
  Bottom Layer w14: R12.2 1014.89,2581.22 1031.11,2565 1175,2565 1235,2505 1440,2505 1451.57,2516.57 1508.12,2516.57 IC1.24
NetIC2_4: IC2.4 R19.2 | length 2287.1
  Top Layer w20: IC2.4 472.6,2557.6 505,2590 505,2965 565,3025 v2(2030,3025)
  Bottom Layer w20: v2(2030,3025) 2131.89,2923.11 R19.2
NetIC4_1: IC4.1 Q1.3 R27.2 | length 179.1
  Bottom Layer w20: Q1.3 IC4.1 3173.6,1948.6 R27.2
NetIC4_4: IC4.4 T1.3 | length 221.9
  Bottom Layer w50: IC4.4 2970,1585 3035,1520 T1.3
NetIC4_6: IC4.6 R26.1 | length 135
  Bottom Layer w50: R26.1 IC4.6
NetIC5_1: IC5.1 Q2.3 R32.2 | length 178.8
  Bottom Layer w20: Q2.3 3544.21,1945.79 3547.02,1948.6 R32.2
NetIC5_4: IC5.4 T2.3 | length 221.9
  Bottom Layer w50: IC5.4 3345,1515 T2.3
NetIC5_6: IC5.6 R31.1 | length 136
  Bottom Layer w50: R31.1 IC5.6
NetIC6_1: IC6.1 Q3.3 R37.2 | length 171
  Bottom Layer w20: Q3.3 IC6.1 R37.2@4003.43,1945
NetIC6_4: IC6.4 T3.3 | length 221.9
  Bottom Layer w50: IC6.4 3720,1515 T3.3
NetIC6_6: IC6.6 R36.1 | length 121
  Bottom Layer w50: R36.1 IC6.6
NetJ1_2: J1.2 M1.25 R3.1 | length 972.6
  Top Layer w30: M1.25 2484.72,1549.88 v2(2485,1550.15)
  Bottom Layer w20: v2(2485,1550.15) 2485,2145 J1.2@2530,2190 ; R3.1 2505,2265 J1.2
NetJ5_10: J5.10 R15.1 | length 116
  Bottom Layer w20: J5.10 313.11,1203.63 R15.1
NetJ5_11: J5.11 R17.1 | length 112
  Bottom Layer w20: R17.1 634.76,1194.02 J5.11
NetJ10_1: J10.1 M1.23 | length 864.2
  Top Layer w25: M1.23 v2(2450,1390.23)
  Bottom Layer w20: v2(2450,1390.23) 2450,1435 2555,1540 J10.1
NetLED1_2: LED1.2 R8.2 | length 98
  Bottom Layer w30: LED1.2 R8.2
NetM1_8: M1.8 R8.1 | length 780.7
  Top Layer w25: v2(1903.31,600) 1903.31,723.31 1994.72,814.72 M1.8
  Bottom Layer w25: v2(1903.31,600) 2010,600 2108,502 R8.1
NetM1_27: M1.27 R9.2 | length 1451.7
  Top Layer w20: M1.27 2194.72,1625 2224.72,1655 2390,1655 2430,1695 v1(2430,1755)
  Bottom Layer w20: R9.2 2361.89,2633.11 2430,2565 v1(2430,1755)
NetQ1_1: Q1.1 R28.1 | length 87.6
  Bottom Layer w25: Q1.1 R28.1
NetQ2_1: Q2.1 R33.1 | length 87.6
  Bottom Layer w25: Q2.1 R33.1
NetQ3_1: Q3.1 R38.1 | length 87.6
  Bottom Layer w25: Q3.1 R38.1
NetR10_1: R10.1 R11.2 | length 88
  Bottom Layer w30: R10.1 R11.2@1353.89,2645
NetR10_2: R10.2 R12.1 | length 83
  Bottom Layer w30: R12.1 R10.2
NEUTRAL: C22.1 J2.1 J2.3 J2.5 J6.2 L3.1 MOV1.1 R21.1 | length 4902.8
  Bottom Layer w25: J6.2@4795,890 4795,930 J6.2@4795,936
  Bottom Layer w50: MOV1.1 4480,1245 4789,936 J6.2@4795,936
  Bottom Layer w60: J2.5@3435,600 3435,300 3435,210 3470,175 3835,175 ; J2.3@3835,600 3835,300 3835,175 ; MOV1.1 4190,1300 4085,1195 4085,750 4235,600 4235,300 4235,210 4200,175 3835,175 ; J6.2@4795,630 J6.2@4795,890 ; J6.2@4795,936 R21.1 5055,1196 C22.1 5055,1655 5000.59,1709.41 L3.1
PHY_RST: IC1.29 M1.29 R5.1 | length 1794.2
  Top Layer w20: v1(1708.15,2760) 1708.15,2066.85 2037,1738 R5.1 2095,1550.15 M1.29 2094.72,1690.28
  Bottom Layer w14: v1(1708.15,2760) 1708.15,2511.57 IC1.29
PRG_RX: J4.2 M1.34 | length 1158.4
  Top Layer w20: v1(1765,1830) 1765,1725 1844.72,1645.28 M1.34
  Bottom Layer w30: J4.2 1250,1430 1270,1450 1270,1583.11 1301.89,1615 1586.89,1615 1765,1793.11 v1(1765,1830)
PRG_TX: J4.3 M1.35 | length 987.7
  Top Layer w20: v1(1694.72,1830) 1694.72,1740.28 1794.72,1640.28 M1.35
  Bottom Layer w30: J4.3 1185,1585 1265,1665 1529.72,1665 v1(1694.72,1830)
RD_N: IC1.13 J5.6 R7.2 | length 1470.3
  Bottom Layer w13: J5.6 548.74,1858.74 568.11,1878.11 1190.89,1878.11 R7.2 1222.89,1878.11 1249.73,1878.11 1309.73,1818.11 1468,1818.11 1554,1904.11 1554,2218.37 IC1.13
RD_P: IC1.14 J5.3 R2.2 | length 1700.9
  Bottom Layer w13: J5.3 398.74,1851.84 456.89,1910 1270,1910 1319.89,1860.11 R2.2 1450.11,1860.11 1516.89,1926.89 1516.89,2237.84 1535,2255.94 IC1.14
RX_DV: IC1.39 M1.28 R14.1 | length 1469.9
  Top Layer w30: M1.28 2144.72,1680 2202.72,1738 R14.1 2318,1738 2355,1775 v1(2355,2413.43)
  Bottom Layer w14: IC1.39 v1(2355,2413.43)
SNSR_D: IC3.2 M1.9 R22.2 | length 593.6
  Top Layer w25: v2(1965,545) 1965,705 2044.72,784.72 M1.9
  Bottom Layer w25: IC3.2 v2(1965,545)
TD_N: IC1.16 J5.2 R1.2 | length 1579.5
  Bottom Layer w13: J5.2 348.74,1908.74 410,1970 1270,1970 1318.11,2018.11 R1.2 1418.11,2018.11 1466.89,2066.89 1466.89,2241.89 1520.31,2295.31 IC1.16
TD_P: IC1.17 J5.1 R6.2 | length 1723.2
  Bottom Layer w12: J5.1 285,1728.74 285,1900 388.11,2003.11 R6.2@1191.89,2003.11
  Bottom Layer w13: R6.2@1211.89,2003.11 1253.11,2003.11 1308.11,2058.11 1403.11,2058.11 1440,2095 1440,2255 1500,2315 IC1.17
VCC: C17.1 C18.1 IC2.14 R23.2 | length 466.3
  Top Layer w30: IC2.14 193.7,2369.76 216,2347.46 C18.1 C17.1 216,2146.6 240,2122.6 388,2122.6 R23.2
pads on no net: IC1.1 IC1.5 IC1.6 IC1.7 IC1.8 IC1.9 IC1.10 IC1.11 IC1.12 IC1.25 IC1.27 IC1.33 IC1.38 IC1.41 IC1.42 IC1.45 IC1.46 IC2.6 IC2.8 IC2.10 IC2.12 IC4.3 IC4.5 IC5.3 IC5.5 IC6.3 IC6.5 J5.7 J5.13 M1.4 M1.5 M1.6 M1.7 M1.17 M1.18 M1.19 M1.20 M1.21 M1.22 M1.24 M1.26 M1.32 XT1.0

## Polygon pours and split planes (outlines as drawn)
GND on Top Layer "Top Layer-GND 1" (solid, pour order 2): 1660,1495 1630,1465 1630,980 1660,950 2245,950 2275,980 2275,1464.72 2244.72,1495
GND on Bottom Layer "Bottom Layer-GND 1" (solid, pour order 0): 1980,705 2000,725 2000,1574.94 2000,1680 1980,1700 1753.78,1700 1630,1576.22 1630,840 1670,800 1670,720 1685,705

## Keep-outs
Keep-Out Layer:
  the board outline again, w10

## Other copper
Bottom Layer:
  text "Rev 1.10" at 4325,2775 h200
  text "Designed by MinhAn" at 4325,2650 h150
  text "& ThanhTam" at 4325,2535 h150

## Silkscreen, mask and mechanical layers (free items; w line width, h text height)
Mechanical 1:
  lines w3: 2571.02,1670.51 2653.7,1670.51 ; 2612.36,1629.17 2612.36,1711.85
Mechanical 15:
  lines w6: -1.81,-2.72 -1.81,3343.74 5226.54,3343.74 5226.54,-2.72 -1.81,-2.72